# KiCad board panel.kicad_pcb (continued)
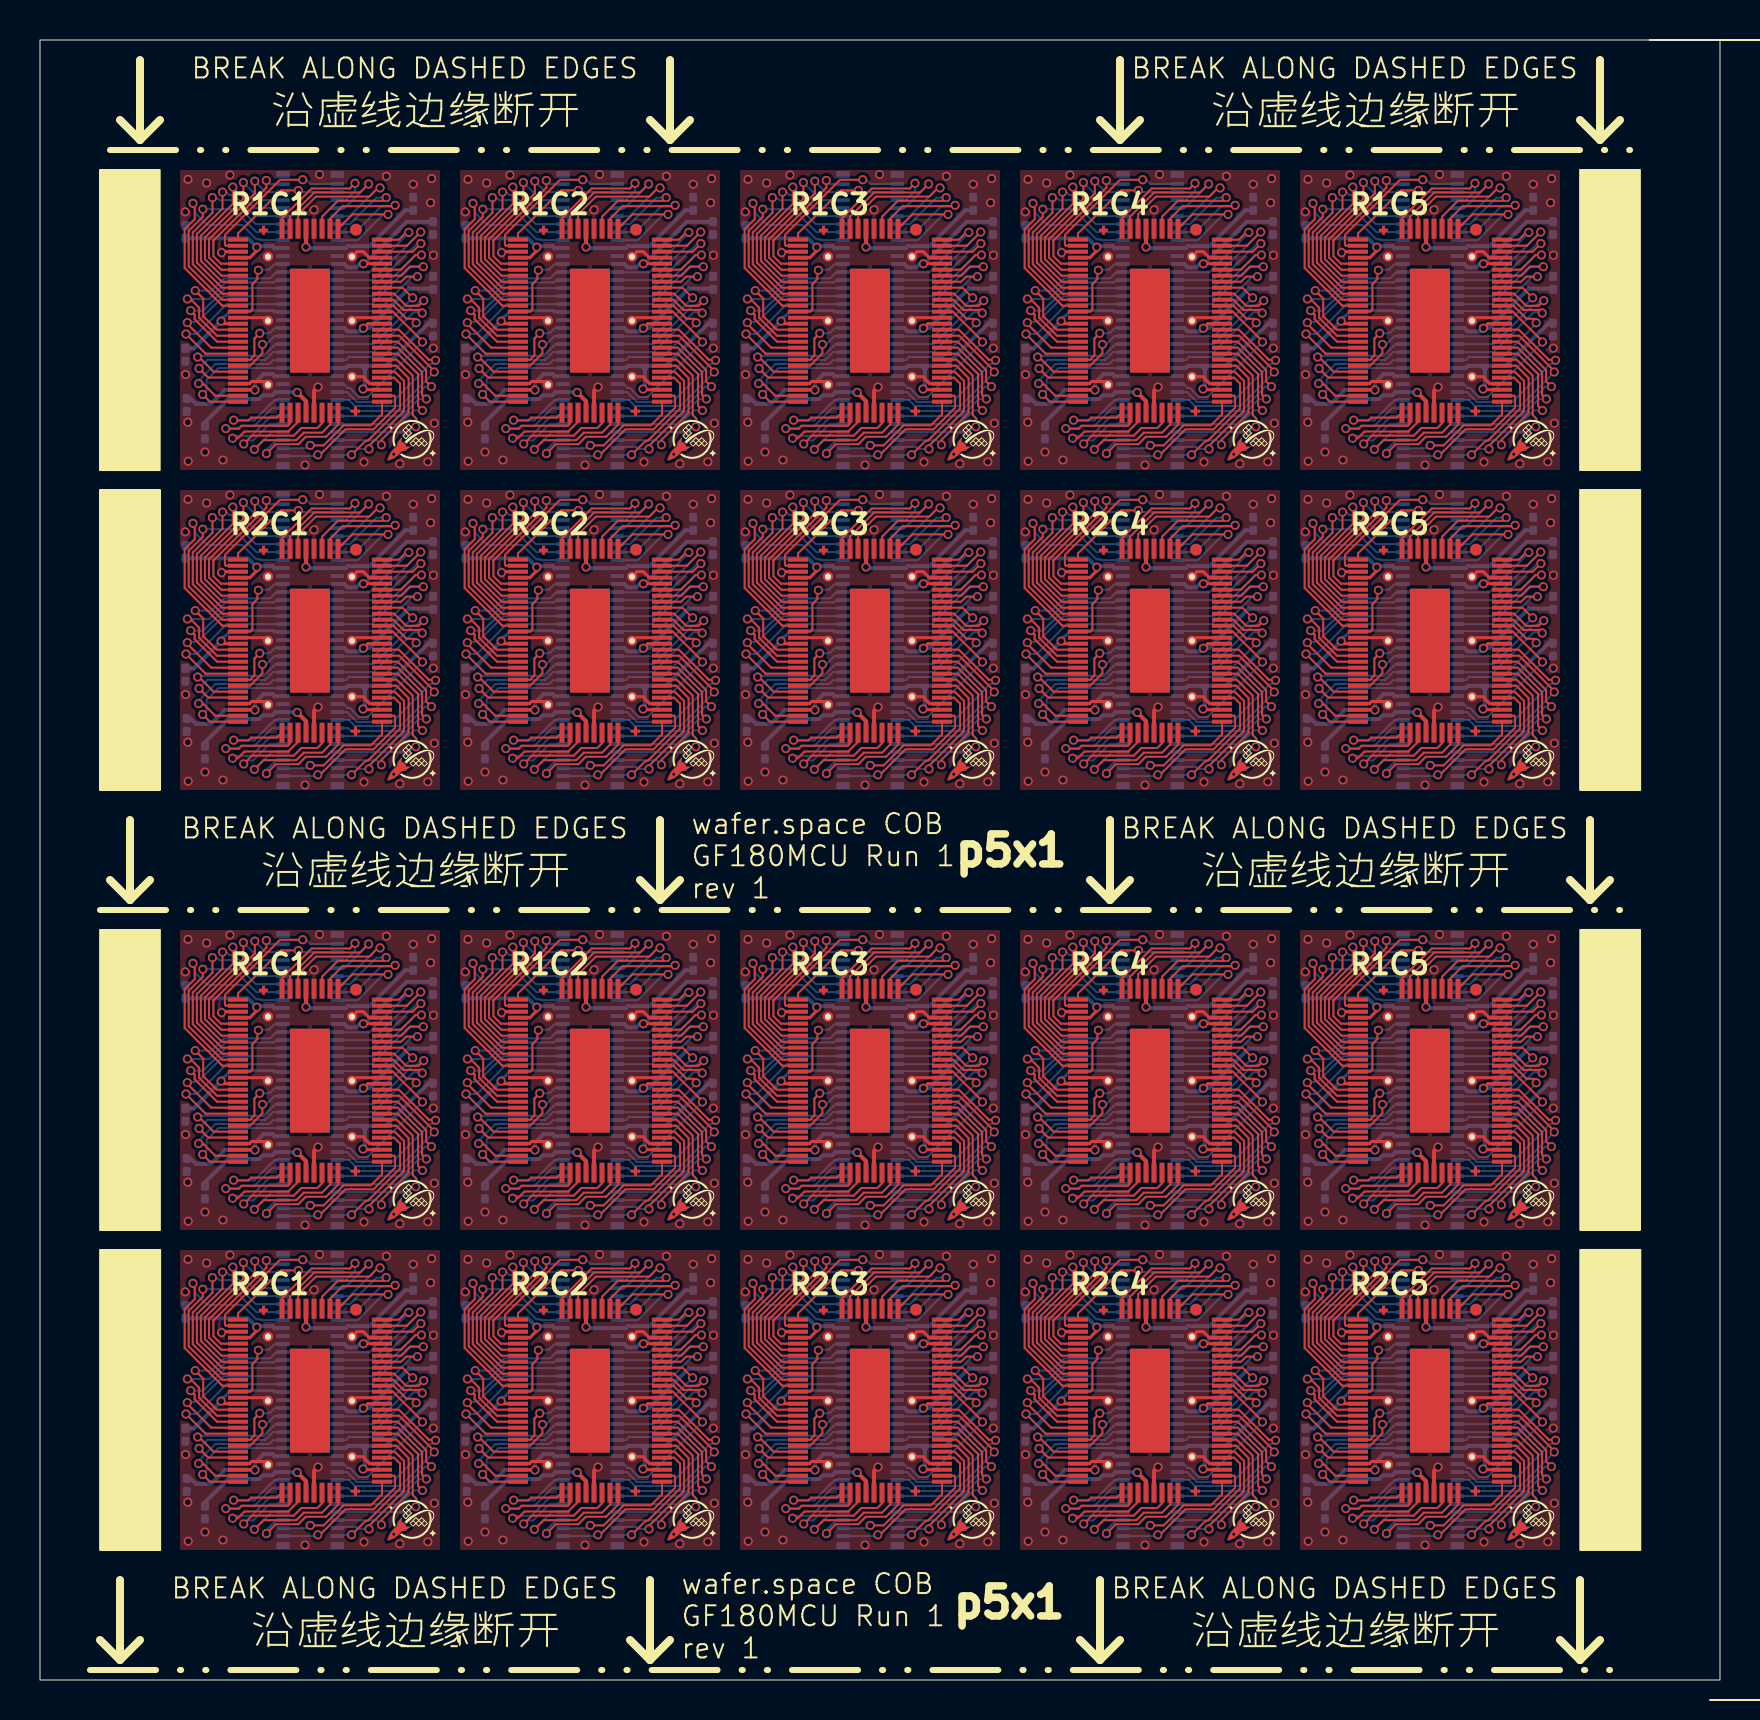
[diagram p0: board, top side]
## Nets (continued)
VDD_IO_2: C108.1 C108#2.1 C116.1 C116#2.1 C124.1 C124#2.1 C132.1 C132#2.1 C140.1 C140#2.1 C148.1 C148#2.1 C156.1 C156#2.1 C164.1 C164#2.1 C172.1 C172#2.1 C180.1 C180#2.1 U101.24 U101#2.24 U102.47 U102#2.47 U103.24 U103#2.24 U104.47 U104#2.47 U105.24 U105#2.24 U106.47 U106#2.47 U107.24 U107#2.24 U108.47 U108#2.47 U109.24 U109#2.24 U110.47 U110#2.47 U111.24 U111#2.24 U112.47 U112#2.47 U113.24 U113#2.24 U114.47 U114#2.47 U115.24 U115#2.24 U116.47 U116#2.47 U117.24 U117#2.24 U118.47 U118#2.47 U119.24 U119#2.24 U120.47 U120#2.47
VDD_IO_3: C102.1 C102#2.1 C110.1 C110#2.1 C118.1 C118#2.1 C126.1 C126#2.1 C134.1 C134#2.1 C142.1 C142#2.1 C150.1 C150#2.1 C158.1 C158#2.1 C166.1 C166#2.1 C174.1 C174#2.1 U101.9 U101#2.9 U102.5 U102#2.5 U103.9 U103#2.9 U104.5 U104#2.5 U105.9 U105#2.9 U106.5 U106#2.5 U107.9 U107#2.9 U108.5 U108#2.5 U109.9 U109#2.9 U110.5 U110#2.5 U111.9 U111#2.9 U112.5 U112#2.5 U113.9 U113#2.9 U114.5 U114#2.5 U115.9 U115#2.9 U116.5 U116#2.5 U117.9 U117#2.9 U118.5 U118#2.5 U119.9 U119#2.9 U120.5 U120#2.5
/an_0: U101.43 U101#2.43 U102.37 U102#2.37 U103.43 U103#2.43 U104.37 U104#2.37 U105.43 U105#2.43 U106.37 U106#2.37 U107.43 U107#2.43 U108.37 U108#2.37 U109.43 U109#2.43 U110.37 U110#2.37 U111.43 U111#2.43 U112.37 U112#2.37 U113.43 U113#2.43 U114.37 U114#2.37 U115.43 U115#2.43 U116.37 U116#2.37 U117.43 U117#2.43 U118.37 U118#2.37 U119.43 U119#2.43 U120.37 U120#2.37
/an_1: U101.42 U101#2.42 U102.38 U102#2.38 U103.42 U103#2.42 U104.38 U104#2.38 U105.42 U105#2.42 U106.38 U106#2.38 U107.42 U107#2.42 U108.38 U108#2.38 U109.42 U109#2.42 U110.38 U110#2.38 U111.42 U111#2.42 U112.38 U112#2.38 U113.42 U113#2.42 U114.38 U114#2.38 U115.42 U115#2.42 U116.38 U116#2.38 U117.42 U117#2.42 U118.38 U118#2.38 U119.42 U119#2.42 U120.38 U120#2.38
/an_2: U101.41 U101#2.41 U102.39 U102#2.39 U103.41 U103#2.41 U104.39 U104#2.39 U105.41 U105#2.41 U106.39 U106#2.39 U107.41 U107#2.41 U108.39 U108#2.39 U109.41 U109#2.41 U110.39 U110#2.39 U111.41 U111#2.41 U112.39 U112#2.39 U113.41 U113#2.41 U114.39 U114#2.39 U115.41 U115#2.41 U116.39 U116#2.39 U117.41 U117#2.41 U118.39 U118#2.39 U119.41 U119#2.41 U120.39 U120#2.39
/an_3: U101.40 U101#2.40 U102.42 U102#2.42 U103.40 U103#2.40 U104.42 U104#2.42 U105.40 U105#2.40 U106.42 U106#2.42 U107.40 U107#2.40 U108.42 U108#2.42 U109.40 U109#2.40 U110.42 U110#2.42 U111.40 U111#2.40 U112.42 U112#2.42 U113.40 U113#2.40 U114.42 U114#2.42 U115.40 U115#2.40 U116.42 U116#2.42 U117.40 U117#2.40 U118.42 U118#2.42 U119.40 U119#2.40 U120.42 U120#2.42
/an_4: U101.39 U101#2.39 U102.43 U102#2.43 U103.39 U103#2.39 U104.43 U104#2.43 U105.39 U105#2.39 U106.43 U106#2.43 U107.39 U107#2.39 U108.43 U108#2.43 U109.39 U109#2.39 U110.43 U110#2.43 U111.39 U111#2.39 U112.43 U112#2.43 U113.39 U113#2.39 U114.43 U114#2.43 U115.39 U115#2.39 U116.43 U116#2.43 U117.39 U117#2.39 U118.43 U118#2.43 U119.39 U119#2.39 U120.43 U120#2.43
/an_5: U101.38 U101#2.38 U102.44 U102#2.44 U103.38 U103#2.38 U104.44 U104#2.44 U105.38 U105#2.38 U106.44 U106#2.44 U107.38 U107#2.38 U108.44 U108#2.44 U109.38 U109#2.38 U110.44 U110#2.44 U111.38 U111#2.38 U112.44 U112#2.44 U113.38 U113#2.38 U114.44 U114#2.44 U115.38 U115#2.38 U116.44 U116#2.44 U117.38 U117#2.38 U118.44 U118#2.44 U119.38 U119#2.38 U120.44 U120#2.44
/bidir_0: U101.2 U101#2.2 U102.9 U102#2.9 U103.2 U103#2.2 U104.9 U104#2.9 U105.2 U105#2.2 U106.9 U106#2.9 U107.2 U107#2.2 U108.9 U108#2.9 U109.2 U109#2.2 U110.9 U110#2.9 U111.2 U111#2.2 U112.9 U112#2.9 U113.2 U113#2.2 U114.9 U114#2.9 U115.2 U115#2.2 U116.9 U116#2.9 U117.2 U117#2.2 U118.9 U118#2.9 U119.2 U119#2.2 U120.9 U120#2.9
/bidir_1: U101.1 U101#2.1 U102.10 U102#2.10 U103.1 U103#2.1 U104.10 U104#2.10 U105.1 U105#2.1 U106.10 U106#2.10 U107.1 U107#2.1 U108.10 U108#2.10 U109.1 U109#2.1 U110.10 U110#2.10 U111.1 U111#2.1 U112.10 U112#2.10 U113.1 U113#2.1 U114.10 U114#2.10 U115.1 U115#2.1 U116.10 U116#2.10 U117.1 U117#2.1 U118.10 U118#2.10 U119.1 U119#2.1 U120.10 U120#2.10
/bidir_2: U101.70 U101#2.70 U102.13 U102#2.13 U103.70 U103#2.70 U104.13 U104#2.13 U105.70 U105#2.70 U106.13 U106#2.13 U107.70 U107#2.70 U108.13 U108#2.13 U109.70 U109#2.70 U110.13 U110#2.13 U111.70 U111#2.70 U112.13 U112#2.13 U113.70 U113#2.70 U114.13 U114#2.13 U115.70 U115#2.70 U116.13 U116#2.13 U117.70 U117#2.70 U118.13 U118#2.13 U119.70 U119#2.70 U120.13 U120#2.13
/bidir_3: U101.69 U101#2.69 U102.14 U102#2.14 U103.69 U103#2.69 U104.14 U104#2.14 U105.69 U105#2.69 U106.14 U106#2.14 U107.69 U107#2.69 U108.14 U108#2.14 U109.69 U109#2.69 U110.14 U110#2.14 U111.69 U111#2.69 U112.14 U112#2.14 U113.69 U113#2.69 U114.14 U114#2.14 U115.69 U115#2.69 U116.14 U116#2.14 U117.69 U117#2.69 U118.14 U118#2.14 U119.69 U119#2.69 U120.14 U120#2.14
/bidir_4: U101.68 U101#2.68 U102.15 U102#2.15 U103.68 U103#2.68 U104.15 U104#2.15 U105.68 U105#2.68 U106.15 U106#2.15 U107.68 U107#2.68 U108.15 U108#2.15 U109.68 U109#2.68 U110.15 U110#2.15 U111.68 U111#2.68 U112.15 U112#2.15 U113.68 U113#2.68 U114.15 U114#2.15 U115.68 U115#2.68 U116.15 U116#2.15 U117.68 U117#2.68 U118.15 U118#2.15 U119.68 U119#2.68 U120.15 U120#2.15
/bidir_5: U101.67 U101#2.67 U102.16 U102#2.16 U103.67 U103#2.67 U104.16 U104#2.16 U105.67 U105#2.67 U106.16 U106#2.16 U107.67 U107#2.67 U108.16 U108#2.16 U109.67 U109#2.67 U110.16 U110#2.16 U111.67 U111#2.67 U112.16 U112#2.16 U113.67 U113#2.67 U114.16 U114#2.16 U115.67 U115#2.67 U116.16 U116#2.16 U117.67 U117#2.67 U118.16 U118#2.16 U119.67 U119#2.67 U120.16 U120#2.16
/bidir_6: U101.66 U101#2.66 U102.17 U102#2.17 U103.66 U103#2.66 U104.17 U104#2.17 U105.66 U105#2.66 U106.17 U106#2.17 U107.66 U107#2.66 U108.17 U108#2.17 U109.66 U109#2.66 U110.17 U110#2.17 U111.66 U111#2.66 U112.17 U112#2.17 U113.66 U113#2.66 U114.17 U114#2.17 U115.66 U115#2.66 U116.17 U116#2.17 U117.66 U117#2.66 U118.17 U118#2.17 U119.66 U119#2.66 U120.17 U120#2.17
/bidir_7: U101.65 U101#2.65 U102.18 U102#2.18 U103.65 U103#2.65 U104.18 U104#2.18 U105.65 U105#2.65 U106.18 U106#2.18 U107.65 U107#2.65 U108.18 U108#2.18 U109.65 U109#2.65 U110.18 U110#2.18 U111.65 U111#2.65 U112.18 U112#2.18 U113.65 U113#2.65 U114.18 U114#2.18 U115.65 U115#2.65 U116.18 U116#2.18 U117.65 U117#2.65 U118.18 U118#2.18 U119.65 U119#2.65 U120.18 U120#2.18
/bidir_8: U101.64 U101#2.64 U102.19 U102#2.19 U103.64 U103#2.64 U104.19 U104#2.19 U105.64 U105#2.64 U106.19 U106#2.19 U107.64 U107#2.64 U108.19 U108#2.19 U109.64 U109#2.64 U110.19 U110#2.19 U111.64 U111#2.64 U112.19 U112#2.19 U113.64 U113#2.64 U114.19 U114#2.19 U115.64 U115#2.64 U116.19 U116#2.19 U117.64 U117#2.64 U118.19 U118#2.19 U119.64 U119#2.64 U120.19 U120#2.19
/bidir_9: U101.63 U101#2.63 U102.20 U102#2.20 U103.63 U103#2.63 U104.20 U104#2.20 U105.63 U105#2.63 U106.20 U106#2.20 U107.63 U107#2.63 U108.20 U108#2.20 U109.63 U109#2.63 U110.20 U110#2.20 U111.63 U111#2.63 U112.20 U112#2.20 U113.63 U113#2.63 U114.20 U114#2.20 U115.63 U115#2.63 U116.20 U116#2.20 U117.63 U117#2.63 U118.20 U118#2.20 U119.63 U119#2.63 U120.20 U120#2.20
/bidir_10: U101.60 U101#2.60 U102.21 U102#2.21 U103.60 U103#2.60 U104.21 U104#2.21 U105.60 U105#2.60 U106.21 U106#2.21 U107.60 U107#2.60 U108.21 U108#2.21 U109.60 U109#2.60 U110.21 U110#2.21 U111.60 U111#2.60 U112.21 U112#2.21 U113.60 U113#2.60 U114.21 U114#2.21 U115.60 U115#2.60 U116.21 U116#2.21 U117.60 U117#2.60 U118.21 U118#2.21 U119.60 U119#2.60 U120.21 U120#2.21
/bidir_11: U101.59 U101#2.59 U102.24 U102#2.24 U103.59 U103#2.59 U104.24 U104#2.24 U105.59 U105#2.59 U106.24 U106#2.24 U107.59 U107#2.59 U108.24 U108#2.24 U109.59 U109#2.59 U110.24 U110#2.24 U111.59 U111#2.59 U112.24 U112#2.24 U113.59 U113#2.59 U114.24 U114#2.24 U115.59 U115#2.59 U116.24 U116#2.24 U117.59 U117#2.59 U118.24 U118#2.24 U119.59 U119#2.59 U120.24 U120#2.24
/bidir_12: U101.58 U101#2.58 U102.25 U102#2.25 U103.58 U103#2.58 U104.25 U104#2.25 U105.58 U105#2.58 U106.25 U106#2.25 U107.58 U107#2.58 U108.25 U108#2.25 U109.58 U109#2.58 U110.25 U110#2.25 U111.58 U111#2.58 U112.25 U112#2.25 U113.58 U113#2.58 U114.25 U114#2.25 U115.58 U115#2.58 U116.25 U116#2.25 U117.58 U117#2.58 U118.25 U118#2.25 U119.58 U119#2.58 U120.25 U120#2.25
/bidir_13: U101.57 U101#2.57 U102.26 U102#2.26 U103.57 U103#2.57 U104.26 U104#2.26 U105.57 U105#2.57 U106.26 U106#2.26 U107.57 U107#2.57 U108.26 U108#2.26 U109.57 U109#2.57 U110.26 U110#2.26 U111.57 U111#2.57 U112.26 U112#2.26 U113.57 U113#2.57 U114.26 U114#2.26 U115.57 U115#2.57 U116.26 U116#2.26 U117.57 U117#2.57 U118.26 U118#2.26 U119.57 U119#2.57 U120.26 U120#2.26
/bidir_14: U101.56 U101#2.56 U102.27 U102#2.27 U103.56 U103#2.56 U104.27 U104#2.27 U105.56 U105#2.56 U106.27 U106#2.27 U107.56 U107#2.56 U108.27 U108#2.27 U109.56 U109#2.56 U110.27 U110#2.27 U111.56 U111#2.56 U112.27 U112#2.27 U113.56 U113#2.56 U114.27 U114#2.27 U115.56 U115#2.56 U116.27 U116#2.27 U117.56 U117#2.56 U118.27 U118#2.27 U119.56 U119#2.56 U120.27 U120#2.27
/bidir_15: U101.55 U101#2.55 U102.28 U102#2.28 U103.55 U103#2.55 U104.28 U104#2.28 U105.55 U105#2.55 U106.28 U106#2.28 U107.55 U107#2.55 U108.28 U108#2.28 U109.55 U109#2.55 U110.28 U110#2.28 U111.55 U111#2.55 U112.28 U112#2.28 U113.55 U113#2.55 U114.28 U114#2.28 U115.55 U115#2.55 U116.28 U116#2.28 U117.55 U117#2.55 U118.28 U118#2.28 U119.55 U119#2.55 U120.28 U120#2.28
/bidir_16: U101.52 U101#2.52 U102.29 U102#2.29 U103.52 U103#2.52 U104.29 U104#2.29 U105.52 U105#2.52 U106.29 U106#2.29 U107.52 U107#2.52 U108.29 U108#2.29 U109.52 U109#2.52 U110.29 U110#2.29 U111.52 U111#2.52 U112.29 U112#2.29 U113.52 U113#2.52 U114.29 U114#2.29 U115.52 U115#2.52 U116.29 U116#2.29 U117.52 U117#2.52 U118.29 U118#2.29 U119.52 U119#2.52 U120.29 U120#2.29
/bidir_17: U101.51 U101#2.51 U102.30 U102#2.30 U103.51 U103#2.51 U104.30 U104#2.30 U105.51 U105#2.51 U106.30 U106#2.30 U107.51 U107#2.51 U108.30 U108#2.30 U109.51 U109#2.51 U110.30 U110#2.30 U111.51 U111#2.51 U112.30 U112#2.30 U113.51 U113#2.51 U114.30 U114#2.30 U115.51 U115#2.51 U116.30 U116#2.30 U117.51 U117#2.51 U118.30 U118#2.30 U119.51 U119#2.51 U120.30 U120#2.30
/bidir_18: U101.50 U101#2.50 U102.31 U102#2.31 U103.50 U103#2.50 U104.31 U104#2.31 U105.50 U105#2.50 U106.31 U106#2.31 U107.50 U107#2.50 U108.31 U108#2.31 U109.50 U109#2.50 U110.31 U110#2.31 U111.50 U111#2.50 U112.31 U112#2.31 U113.50 U113#2.50 U114.31 U114#2.31 U115.50 U115#2.50 U116.31 U116#2.31 U117.50 U117#2.50 U118.31 U118#2.31 U119.50 U119#2.50 U120.31 U120#2.31
/bidir_19: U101.49 U101#2.49 U102.32 U102#2.32 U103.49 U103#2.49 U104.32 U104#2.32 U105.49 U105#2.49 U106.32 U106#2.32 U107.49 U107#2.49 U108.32 U108#2.32 U109.49 U109#2.49 U110.32 U110#2.32 U111.49 U111#2.49 U112.32 U112#2.32 U113.49 U113#2.49 U114.32 U114#2.32 U115.49 U115#2.49 U116.32 U116#2.32 U117.49 U117#2.49 U118.32 U118#2.32 U119.49 U119#2.49 U120.32 U120#2.32
/bidir_20: U101.48 U101#2.48 U102.35 U102#2.35 U103.48 U103#2.48 U104.35 U104#2.35 U105.48 U105#2.48 U106.35 U106#2.35 U107.48 U107#2.48 U108.35 U108#2.35 U109.48 U109#2.48 U110.35 U110#2.35 U111.48 U111#2.48 U112.35 U112#2.35 U113.48 U113#2.48 U114.35 U114#2.35 U115.48 U115#2.48 U116.35 U116#2.35 U117.48 U117#2.48 U118.35 U118#2.35 U119.48 U119#2.48 U120.35 U120#2.35
/bidir_21: U101.47 U101#2.47 U102.36 U102#2.36 U103.47 U103#2.47 U104.36 U104#2.36 U105.47 U105#2.47 U106.36 U106#2.36 U107.47 U107#2.47 U108.36 U108#2.36 U109.47 U109#2.47 U110.36 U110#2.36 U111.47 U111#2.47 U112.36 U112#2.36 U113.47 U113#2.47 U114.36 U114#2.36 U115.47 U115#2.47 U116.36 U116#2.36 U117.47 U117#2.47 U118.36 U118#2.36 U119.47 U119#2.47 U120.36 U120#2.36
/bidir_22: U101.37 U101#2.37 U102.45 U102#2.45 U103.37 U103#2.37 U104.45 U104#2.45 U105.37 U105#2.37 U106.45 U106#2.45 U107.37 U107#2.37 U108.45 U108#2.45 U109.37 U109#2.37 U110.45 U110#2.45 U111.37 U111#2.37 U112.45 U112#2.45 U113.37 U113#2.37 U114.45 U114#2.45 U115.37 U115#2.37 U116.45 U116#2.45 U117.37 U117#2.37 U118.45 U118#2.45 U119.37 U119#2.37 U120.45 U120#2.45
/bidir_23: U101.36 U101#2.36 U102.46 U102#2.46 U103.36 U103#2.36 U104.46 U104#2.46 U105.36 U105#2.36 U106.46 U106#2.46 U107.36 U107#2.36 U108.46 U108#2.46 U109.36 U109#2.36 U110.46 U110#2.46 U111.36 U111#2.36 U112.46 U112#2.46 U113.36 U113#2.36 U114.46 U114#2.46 U115.36 U115#2.36 U116.46 U116#2.46 U117.36 U117#2.36 U118.46 U118#2.46 U119.36 U119#2.36 U120.46 U120#2.46
/bidir_24: U101.35 U101#2.35 U102.49 U102#2.49 U103.35 U103#2.35 U104.49 U104#2.49 U105.35 U105#2.35 U106.49 U106#2.49 U107.35 U107#2.35 U108.49 U108#2.49 U109.35 U109#2.35 U110.49 U110#2.49 U111.35 U111#2.35 U112.49 U112#2.49 U113.35 U113#2.35 U114.49 U114#2.49 U115.35 U115#2.35 U116.49 U116#2.49 U117.35 U117#2.35 U118.49 U118#2.49 U119.35 U119#2.35 U120.49 U120#2.49
/bidir_25: U101.34 U101#2.34 U102.50 U102#2.50 U103.34 U103#2.34 U104.50 U104#2.50 U105.34 U105#2.34 U106.50 U106#2.50 U107.34 U107#2.34 U108.50 U108#2.50 U109.34 U109#2.34 U110.50 U110#2.50 U111.34 U111#2.34 U112.50 U112#2.50 U113.34 U113#2.34 U114.50 U114#2.50 U115.34 U115#2.34 U116.50 U116#2.50 U117.34 U117#2.34 U118.50 U118#2.50 U119.34 U119#2.34 U120.50 U120#2.50
/bidir_26: U101.33 U101#2.33 U102.51 U102#2.51 U103.33 U103#2.33 U104.51 U104#2.51 U105.33 U105#2.33 U106.51 U106#2.51 U107.33 U107#2.33 U108.51 U108#2.51 U109.33 U109#2.33 U110.51 U110#2.51 U111.33 U111#2.33 U112.51 U112#2.51 U113.33 U113#2.33 U114.51 U114#2.51 U115.33 U115#2.33 U116.51 U116#2.51 U117.33 U117#2.33 U118.51 U118#2.51 U119.33 U119#2.33 U120.51 U120#2.51
/bidir_27: U101.32 U101#2.32 U102.52 U102#2.52 U103.32 U103#2.32 U104.52 U104#2.52 U105.32 U105#2.32 U106.52 U106#2.52 U107.32 U107#2.32 U108.52 U108#2.52 U109.32 U109#2.32 U110.52 U110#2.52 U111.32 U111#2.32 U112.52 U112#2.52 U113.32 U113#2.32 U114.52 U114#2.52 U115.32 U115#2.32 U116.52 U116#2.52 U117.32 U117#2.32 U118.52 U118#2.52 U119.32 U119#2.32 U120.52 U120#2.52
/bidir_28: U101.31 U101#2.31 U102.53 U102#2.53 U103.31 U103#2.31 U104.53 U104#2.53 U105.31 U105#2.31 U106.53 U106#2.53 U107.31 U107#2.31 U108.53 U108#2.53 U109.31 U109#2.31 U110.53 U110#2.53 U111.31 U111#2.31 U112.53 U112#2.53 U113.31 U113#2.31 U114.53 U114#2.53 U115.31 U115#2.31 U116.53 U116#2.53 U117.31 U117#2.31 U118.53 U118#2.53 U119.31 U119#2.31 U120.53 U120#2.53
/bidir_29: U101.30 U101#2.30 U102.54 U102#2.54 U103.30 U103#2.30 U104.54 U104#2.54 U105.30 U105#2.30 U106.54 U106#2.54 U107.30 U107#2.30 U108.54 U108#2.54 U109.30 U109#2.30 U110.54 U110#2.54 U111.30 U111#2.30 U112.54 U112#2.54 U113.30 U113#2.30 U114.54 U114#2.54 U115.30 U115#2.30 U116.54 U116#2.54 U117.30 U117#2.30 U118.54 U118#2.54 U119.30 U119#2.30 U120.54 U120#2.54
/bidir_30: U101.29 U101#2.29 U102.55 U102#2.55 U103.29 U103#2.29 U104.55 U104#2.55 U105.29 U105#2.29 U106.55 U106#2.55 U107.29 U107#2.29 U108.55 U108#2.55 U109.29 U109#2.29 U110.55 U110#2.55 U111.29 U111#2.29 U112.55 U112#2.55 U113.29 U113#2.29 U114.55 U114#2.55 U115.29 U115#2.29 U116.55 U116#2.55 U117.29 U117#2.29 U118.55 U118#2.55 U119.29 U119#2.29 U120.55 U120#2.55
/bidir_31: U101.28 U101#2.28 U102.56 U102#2.56 U103.28 U103#2.28 U104.56 U104#2.56 U105.28 U105#2.28 U106.56 U106#2.56 U107.28 U107#2.28 U108.56 U108#2.56 U109.28 U109#2.28 U110.56 U110#2.56 U111.28 U111#2.28 U112.56 U112#2.56 U113.28 U113#2.28 U114.56 U114#2.56 U115.28 U115#2.28 U116.56 U116#2.56 U117.28 U117#2.28 U118.56 U118#2.56 U119.28 U119#2.28 U120.56 U120#2.56
/bidir_32: U101.27 U101#2.27 U102.57 U102#2.57 U103.27 U103#2.27 U104.57 U104#2.57 U105.27 U105#2.27 U106.57 U106#2.57 U107.27 U107#2.27 U108.57 U108#2.57 U109.27 U109#2.27 U110.57 U110#2.57 U111.27 U111#2.27 U112.57 U112#2.57 U113.27 U113#2.27 U114.57 U114#2.57 U115.27 U115#2.27 U116.57 U116#2.57 U117.27 U117#2.27 U118.57 U118#2.57 U119.27 U119#2.27 U120.57 U120#2.57
/bidir_33: U101.26 U101#2.26 U102.60 U102#2.60 U103.26 U103#2.26 U104.60 U104#2.60 U105.26 U105#2.26 U106.60 U106#2.60 U107.26 U107#2.26 U108.60 U108#2.60 U109.26 U109#2.26 U110.60 U110#2.60 U111.26 U111#2.26 U112.60 U112#2.60 U113.26 U113#2.26 U114.60 U114#2.60 U115.26 U115#2.26 U116.60 U116#2.60 U117.26 U117#2.26 U118.60 U118#2.60 U119.26 U119#2.26 U120.60 U120#2.60
/bidir_34: U101.23 U101#2.23 U102.61 U102#2.61 U103.23 U103#2.23 U104.61 U104#2.61 U105.23 U105#2.23 U106.61 U106#2.61 U107.23 U107#2.23 U108.61 U108#2.61 U109.23 U109#2.23 U110.61 U110#2.61 U111.23 U111#2.23 U112.61 U112#2.61 U113.23 U113#2.23 U114.61 U114#2.61 U115.23 U115#2.23 U116.61 U116#2.61 U117.23 U117#2.23 U118.61 U118#2.61 U119.23 U119#2.23 U120.61 U120#2.61
/bidir_35: U101.22 U101#2.22 U102.62 U102#2.62 U103.22 U103#2.22 U104.62 U104#2.62 U105.22 U105#2.22 U106.62 U106#2.62 U107.22 U107#2.22 U108.62 U108#2.62 U109.22 U109#2.22 U110.62 U110#2.62 U111.22 U111#2.22 U112.62 U112#2.62 U113.22 U113#2.22 U114.62 U114#2.62 U115.22 U115#2.22 U116.62 U116#2.62 U117.22 U117#2.22 U118.62 U118#2.62 U119.22 U119#2.22 U120.62 U120#2.62
/bidir_36: U101.21 U101#2.21 U102.63 U102#2.63 U103.21 U103#2.21 U104.63 U104#2.63 U105.21 U105#2.21 U106.63 U106#2.63 U107.21 U107#2.21 U108.63 U108#2.63 U109.21 U109#2.21 U110.63 U110#2.63 U111.21 U111#2.21 U112.63 U112#2.63 U113.21 U113#2.21 U114.63 U114#2.63 U115.21 U115#2.21 U116.63 U116#2.63 U117.21 U117#2.21 U118.63 U118#2.63 U119.21 U119#2.21 U120.63 U120#2.63
/bidir_37: U101.20 U101#2.20 U102.64 U102#2.64 U103.20 U103#2.20 U104.64 U104#2.64 U105.20 U105#2.20 U106.64 U106#2.64 U107.20 U107#2.20 U108.64 U108#2.64 U109.20 U109#2.20 U110.64 U110#2.64 U111.20 U111#2.20 U112.64 U112#2.64 U113.20 U113#2.20 U114.64 U114#2.64 U115.20 U115#2.20 U116.64 U116#2.64 U117.20 U117#2.20 U118.64 U118#2.64 U119.20 U119#2.20 U120.64 U120#2.64
/bidir_38: U101.17 U101#2.17 U102.65 U102#2.65 U103.17 U103#2.17 U104.65 U104#2.65 U105.17 U105#2.17 U106.65 U106#2.65 U107.17 U107#2.17 U108.65 U108#2.65 U109.17 U109#2.17 U110.65 U110#2.65 U111.17 U111#2.17 U112.65 U112#2.65 U113.17 U113#2.17 U114.65 U114#2.65 U115.17 U115#2.17 U116.65 U116#2.65 U117.17 U117#2.17 U118.65 U118#2.65 U119.17 U119#2.17 U120.65 U120#2.65
/bidir_39: U101.16 U101#2.16 U102.66 U102#2.66 U103.16 U103#2.16 U104.66 U104#2.66 U105.16 U105#2.16 U106.66 U106#2.66 U107.16 U107#2.16 U108.66 U108#2.66 U109.16 U109#2.16 U110.66 U110#2.66 U111.16 U111#2.16 U112.66 U112#2.66 U113.16 U113#2.16 U114.66 U114#2.66 U115.16 U115#2.16 U116.66 U116#2.66 U117.16 U117#2.16 U118.66 U118#2.66 U119.16 U119#2.16 U120.66 U120#2.66
/bidir_40: U101.15 U101#2.15 U102.67 U102#2.67 U103.15 U103#2.15 U104.67 U104#2.67 U105.15 U105#2.15 U106.67 U106#2.67 U107.15 U107#2.15 U108.67 U108#2.67 U109.15 U109#2.15 U110.67 U110#2.67 U111.15 U111#2.15 U112.67 U112#2.67 U113.15 U113#2.15 U114.67 U114#2.67 U115.15 U115#2.15 U116.67 U116#2.67 U117.15 U117#2.15 U118.67 U118#2.67 U119.15 U119#2.15 U120.67 U120#2.67
/bidir_41: U101.14 U101#2.14 U102.70 U102#2.70 U103.14 U103#2.14 U104.70 U104#2.70 U105.14 U105#2.14 U106.70 U106#2.70 U107.14 U107#2.14 U108.70 U108#2.70 U109.14 U109#2.14 U110.70 U110#2.70 U111.14 U111#2.14 U112.70 U112#2.70 U113.14 U113#2.14 U114.70 U114#2.70 U115.14 U115#2.14 U116.70 U116#2.70 U117.14 U117#2.14 U118.70 U118#2.70 U119.14 U119#2.14 U120.70 U120#2.70
/bidir_42: U101.13 U101#2.13 U102.71 U102#2.71 U103.13 U103#2.13 U104.71 U104#2.71 U105.13 U105#2.13 U106.71 U106#2.71 U107.13 U107#2.13 U108.71 U108#2.71 U109.13 U109#2.13 U110.71 U110#2.71 U111.13 U111#2.13 U112.71 U112#2.71 U113.13 U113#2.13 U114.71 U114#2.71 U115.13 U115#2.13 U116.71 U116#2.71 U117.13 U117#2.13 U118.71 U118#2.71 U119.13 U119#2.13 U120.71 U120#2.71
/bidir_43: U101.12 U101#2.12 U102.72 U102#2.72 U103.12 U103#2.12 U104.72 U104#2.72 U105.12 U105#2.12 U106.72 U106#2.72 U107.12 U107#2.12 U108.72 U108#2.72 U109.12 U109#2.12 U110.72 U110#2.72 U111.12 U111#2.12 U112.72 U112#2.72 U113.12 U113#2.12 U114.72 U114#2.72 U115.12 U115#2.12 U116.72 U116#2.72 U117.12 U117#2.12 U118.72 U118#2.72 U119.12 U119#2.12 U120.72 U120#2.72
/clk: U101.8 U101#2.8 U102.1 U102#2.1 U103.8 U103#2.8 U104.1 U104#2.1 U105.8 U105#2.8 U106.1 U106#2.1 U107.8 U107#2.8 U108.1 U108#2.1 U109.8 U109#2.8 U110.1 U110#2.1 U111.8 U111#2.8 U112.1 U112#2.1 U113.8 U113#2.8 U114.1 U114#2.1 U115.8 U115#2.8 U116.1 U116#2.1 U117.8 U117#2.8 U118.1 U118#2.1 U119.8 U119#2.8 U120.1 U120#2.1
/in_0: U101.6 U101#2.6 U102.3 U102#2.3 U103.6 U103#2.6 U104.3 U104#2.3 U105.6 U105#2.6 U106.3 U106#2.3 U107.6 U107#2.6 U108.3 U108#2.3 U109.6 U109#2.6 U110.3 U110#2.3 U111.6 U111#2.6 U112.3 U112#2.3 U113.6 U113#2.6 U114.3 U114#2.3 U115.6 U115#2.6 U116.3 U116#2.3 U117.6 U117#2.6 U118.3 U118#2.3 U119.6 U119#2.6 U120.3 U120#2.3
/in_1: U101.5 U101#2.5 U102.6 U102#2.6 U103.5 U103#2.5 U104.6 U104#2.6 U105.5 U105#2.5 U106.6 U106#2.6 U107.5 U107#2.5 U108.6 U108#2.6 U109.5 U109#2.5 U110.6 U110#2.6 U111.5 U111#2.5 U112.6 U112#2.6 U113.5 U113#2.5 U114.6 U114#2.6 U115.5 U115#2.5 U116.6 U116#2.6 U117.5 U117#2.5 U118.6 U118#2.6 U119.5 U119#2.5 U120.6 U120#2.6
/in_2: U101.4 U101#2.4 U102.7 U102#2.7 U103.4 U103#2.4 U104.7 U104#2.7 U105.4 U105#2.4 U106.7 U106#2.7 U107.4 U107#2.4 U108.7 U108#2.7 U109.4 U109#2.4 U110.7 U110#2.7 U111.4 U111#2.4 U112.7 U112#2.7 U113.4 U113#2.4 U114.7 U114#2.7 U115.4 U115#2.4 U116.7 U116#2.7 U117.4 U117#2.4 U118.7 U118#2.7 U119.4 U119#2.4 U120.7 U120#2.7
/in_3: U101.3 U101#2.3 U102.8 U102#2.8 U103.3 U103#2.3 U104.8 U104#2.8 U105.3 U105#2.3 U106.8 U106#2.8 U107.3 U107#2.3 U108.8 U108#2.8 U109.3 U109#2.3 U110.8 U110#2.8 U111.3 U111#2.3 U112.8 U112#2.8 U113.3 U113#2.3 U114.8 U114#2.8 U115.3 U115#2.3 U116.8 U116#2.8 U117.3 U117#2.3 U118.8 U118#2.8 U119.3 U119#2.3 U120.8 U120#2.8
/rst_n: U101.7 U101#2.7 U102.2 U102#2.2 U103.7 U103#2.7 U104.2 U104#2.2 U105.7 U105#2.7 U106.2 U106#2.2 U107.7 U107#2.7 U108.2 U108#2.2 U109.7 U109#2.7 U110.2 U110#2.2 U111.7 U111#2.7 U112.2 U112#2.2 U113.7 U113#2.7 U114.2 U114#2.2 U115.7 U115#2.7 U116.2 U116#2.2 U117.7 U117#2.7 U118.2 U118#2.2 U119.7 U119#2.7 U120.2 U120#2.2
PWR_AUX_0: C105.1 C105#2.1 C113.1 C113#2.1 C121.1 C121#2.1 C129.1 C129#2.1 C137.1 C137#2.1 C145.1 C145#2.1 C153.1 C153#2.1 C161.1 C161#2.1 C169.1 C169#2.1 C177.1 C177#2.1 U101.54 U101#2.54 U102.23 U102#2.23 U103.54 U103#2.54 U104.23 U104#2.23 U105.54 U105#2.54 U106.23 U106#2.23 U107.54 U107#2.54 U108.23 U108#2.23 U109.54 U109#2.54 U110.23 U110#2.23 U111.54 U111#2.54 U112.23 U112#2.23 U113.54 U113#2.54 U114.23 U114#2.23 U115.54 U115#2.54 U116.23 U116#2.23 U117.54 U117#2.54 U118.23 U118#2.23 U119.54 U119#2.54 U120.23 U120#2.23
PWR_AUX_1: C106.1 C106#2.1 C114.1 C114#2.1 C122.1 C122#2.1 C130.1 C130#2.1 C138.1 C138#2.1 C146.1 C146#2.1 C154.1 C154#2.1 C162.1 C162#2.1 C170.1 C170#2.1 C178.1 C178#2.1 U101.19 U101#2.19 U102.58 U102#2.58 U103.19 U103#2.19 U104.58 U104#2.58 U105.19 U105#2.19 U106.58 U106#2.58 U107.19 U107#2.19 U108.58 U108#2.58 U109.19 U109#2.19 U110.58 U110#2.58 U111.19 U111#2.19 U112.58 U112#2.58 U113.19 U113#2.19 U114.58 U114#2.58 U115.19 U115#2.19 U116.58 U116#2.58 U117.19 U117#2.19 U118.58 U118#2.58 U119.19 U119#2.19 U120.58 U120#2.58

## Via types
v1: diameter 0.45, hole 0.3, Top to Bottom, 1760 vias

## Routing (per net, layer and track width the routed paths; a pad name or vN(x,y) marks a point on that pad's centre or on a via; arc(x,y) is an arc through that point)
GND: length 206.3
  Top w0.15: U106#2.78 43.85,71.41 44.17,71.41 44.47,71.12 U106#2.69 ; 23.9,64.81 24.46,64.81 24.57,64.92 25.24,64.92 U104#2.81 ; U114.48 30.49,48.81 30.14,49.17 U114.76 ; U108#2.77 57.75,68.12 U108#2.59 ; U116.76 44.14,49.17 44.49,48.81 U116.48 ; U108.48 58.49,26.81 58.14,27.17 U108.76 ; U116#2.81 39.24,10.92 38.57,10.92 38.46,10.81 U116#2.33 ; v1(51.08,33.37) 51.12,33.42 U108.11 ; 45.1,14.11 43.75,14.11 U116#2.77 ; U110.80 67.25,30.11 65.9,30.11 ; U106#2.76 44.14,65.16 44.49,64.81 45.1,64.81 ; U120.78 71.85,17.42 72.17,17.42 72.47,17.11 73.1,17.11 ; U112.80 11.25,52.11 9.9,52.11 ; U116.33 38.46,48.81 38.57,48.92 39.24,48.92 U116.81 ; U120.80 67.25,14.11 65.9,14.11 ; U108#2.76 58.14,65.16 58.49,64.81 59.1,64.81 ; U116#2.11 37.12,17.42 v1(37.08,17.37) ; U104.48 30.49,26.81 30.14,27.17 U104.76 ; U102#2.76 16.14,65.16 16.49,64.81 17.1,64.81 ; U112#2.76 16.14,11.17 16.49,10.81 U112#2.48 ; U102.33 10.46,26.81 10.57,26.92 11.24,26.92 U102.81 ; v1(51.08,55.37) 51.12,55.42 U118.11 ; 51.9,64.81 52.46,64.81 52.57,64.92 53.24,64.92 U108#2.81 ; 9.9,30.11 11.25,30.11 U102.80 ; U106#2.22 39.25,68.12 U106#2.80 ; 17.1,55.11 16.47,55.11 16.17,55.42 15.85,55.42 U112.78 ; 37.9,64.81 38.46,64.81 38.57,64.92 39.24,64.92 U106#2.81 ; U110#2.59 71.75,68.12 U110#2.77 ; U114.80 25.25,52.11 23.9,52.11 ; U114.33 24.46,48.81 24.57,48.92 25.24,48.92 U114.81 ; U108#2.69 58.47,71.12 58.17,71.41 57.85,71.41 U108#2.78 ; 17.1,30.11 15.75,30.11 U102.77 ; U108.78 57.85,33.42 58.17,33.42 58.47,33.11 59.1,33.11 ; U120#2.80 67.25,52.11 65.9,52.11 ; 45.1,17.11 44.47,17.11 44.17,17.42 43.85,17.42 U116#2.78 ; 45.1,30.11 43.75,30.11 U106.77 ; U108.77 57.75,30.11 59.1,30.11 ; U114#2.76 30.14,11.17 30.49,10.81 U114#2.48 ; 9.9,71.41 9.12,71.41 v1(9.08,71.37) ; U106.80 39.25,30.11 37.9,30.11 ; 31.1,14.11 29.75,14.11 U114#2.77 ; v1(37.08,71.37) 37.12,71.41 37.9,71.41 ; U104#2.77 29.75,68.12 U104#2.59 ; U112.81 11.24,48.92 10.57,48.92 10.46,48.81 U112.33 ; U110#2.22 67.25,68.12 U110#2.80 ; 51.9,52.11 53.25,52.11 U118.80 ; U120#2.76 72.14,49.17 72.49,48.81 U120#2.48 ; U116.11 37.12,55.42 v1(37.08,55.37) ; U112#2.78 15.85,17.42 16.17,17.42 16.47,17.11 17.1,17.11 ; U102.78 15.85,33.42 16.17,33.42 16.47,33.11 17.1,33.11 ; U114#2.11 23.12,17.42 v1(23.08,17.37) ; 45.1,33.11 44.47,33.11 44.17,33.42 43.85,33.42 U106.78 ; 51.9,30.11 53.25,30.11 U108.80 ; U116.77 43.75,52.11 45.1,52.11 ; U120.81 67.24,10.92 66.57,10.92 66.46,10.81 U120.33 ; U114.78 29.85,55.42 30.17,55.42 30.47,55.11 31.1,55.11 ; 31.1,52.11 29.75,52.11 U114.77 ; 73.1,64.81 72.49,64.81 72.14,65.16 U110#2.76 ; U120#2.81 67.24,48.92 66.57,48.92 66.46,48.81 U120#2.33 ; U104.81 25.24,26.92 24.57,26.92 24.46,26.81 U104.33 ; U104#2.78 29.85,71.41 30.17,71.41 30.47,71.12 U104#2.69 ; U110#2.81 67.24,64.92 66.57,64.92 66.46,64.81 65.9,64.81 ; U118#2.48 58.49,10.81 58.14,11.17 U118#2.76 ; U120.48 72.49,10.81 72.14,11.17 U120.76 ; U104.78 29.85,33.42 30.17,33.42 30.47,33.11 31.1,33.11 ; U114#2.78 29.85,17.42 30.17,17.42 30.47,17.11 31.1,17.11 ; 73.1,30.11 71.75,30.11 U110.77 ; U118.77 57.75,52.11 59.1,52.11 ; U116#2.48 44.49,10.81 44.14,11.17 U116#2.76 ; 9.9,64.81 10.46,64.81 10.57,64.92 11.24,64.92 U102#2.81 ; U110.81 67.24,26.92 66.57,26.92 66.46,26.81 U110.33 ; U114#2.80 25.25,14.11 23.9,14.11 ; U118#2.33 52.46,10.81 52.57,10.92 53.24,10.92 U118#2.81 ; U118.48 58.49,48.81 58.14,49.17 U118.76 ; v1(23.08,71.37) 23.12,71.41 23.9,71.41 ; v1(65.08,71.37) 65.12,71.41 65.9,71.41 ; U112#2.77 15.75,14.11 17.1,14.11 ; 31.1,30.11 29.75,30.11 U104.77 ; U106.81 39.24,26.92 38.57,26.92 38.46,26.81 U106.33 ; U112.77 15.75,52.11 17.1,52.11 ; U110.78 71.85,33.42 72.17,33.42 72.47,33.11 73.1,33.11 ; U102#2.59 15.75,68.12 U102#2.77 ; 23.9,30.11 25.25,30.11 U104.80 ; U106.76 44.14,27.17 44.49,26.81 U106.48 ; U108.81 53.24,26.92 52.57,26.92 52.46,26.81 U108.33 ; U106.11 37.12,33.42 v1(37.08,33.37) ; U118.33 52.46,48.81 52.57,48.92 53.24,48.92 U118.81 ; U120#2.78 71.85,55.42 72.17,55.42 72.47,55.11 73.1,55.11 ; 73.1,52.11 71.75,52.11 U120#2.77 ; 31.1,64.81 30.49,64.81 30.14,65.16 U104#2.76 ; v1(65.08,55.37) 65.12,55.42 U120#2.11 ; U108#2.80 53.25,68.12 U108#2.22 ; 59.1,17.11 58.47,17.11 58.17,17.42 57.85,17.42 U118#2.78 ; U110.11 65.12,33.42 v1(65.08,33.37) ; v1(65.08,17.37) 65.12,17.42 U120.11 ; U118.78 57.85,55.42 58.17,55.42 58.47,55.11 59.1,55.11 ; 73.1,14.11 71.75,14.11 U120.77 ; v1(9.08,55.37) 9.12,55.42 U112.11 ; v1(9.08,17.37) 9.12,17.42 U112#2.11 ; U104.11 23.12,33.42 v1(23.08,33.37) ; U112#2.80 11.25,14.11 9.9,14.11 ; U114#2.33 24.46,10.81 24.57,10.92 25.24,10.92 U114#2.81 ; U104#2.80 25.25,68.12 U104#2.22 ; v1(23.08,55.37) 23.12,55.42 U114.11 ; U102#2.80 11.25,68.12 U102#2.22 ; U102.48 16.49,26.81 16.14,27.17 U102.76 ; 51.9,14.11 53.25,14.11 U118#2.80 ; U116.80 39.25,52.11 37.9,52.11 ; U102.11 9.12,33.42 v1(9.08,33.37) ; U112#2.81 11.24,10.92 10.57,10.92 10.46,10.81 U112#2.33 ; U110#2.78 71.85,71.41 72.17,71.41 72.47,71.12 U110#2.69 ; 51.9,71.41 51.12,71.41 v1(51.08,71.37) ; U112.76 16.14,49.17 16.49,48.81 U112.48 ; v1(51.08,17.37) 51.12,17.42 U118#2.11 ; U116.78 43.85,55.42 44.17,55.42 44.47,55.11 45.1,55.11 ; U118#2.77 57.75,14.11 59.1,14.11 ; 37.9,14.11 39.25,14.11 U116#2.80 ; U102#2.78 15.85,71.41 16.17,71.41 16.47,71.12 U102#2.69 ; U110.76 72.14,27.17 72.49,26.81 U110.48 ; U106#2.77 43.75,68.12 U106#2.59
  Top w0.2: v1(27.9,26.65) 27.7,26.45 U104.41 ; U120#2.41 69.7,48.45 v1(69.9,48.65) ; U108.41 55.7,26.45 v1(55.9,26.65) ; U106.41 41.7,26.45 v1(41.9,26.65) ; v1(41.9,48.65) 41.7,48.45 U116.41 ; U104#2.41 27.7,64.45 v1(27.9,64.65) ; U114.41 27.7,48.45 v1(27.9,48.65) ; U112.41 13.7,48.45 v1(13.9,48.65) ; v1(13.9,64.65) 13.7,64.45 U102#2.41 ; U110.41 69.7,26.45 v1(69.9,26.65) ; v1(55.9,48.65) 55.7,48.45 U118.41 ; U102.41 13.7,26.45 v1(13.9,26.65) ; U106#2.41 41.7,64.45 v1(41.9,64.65) ; v1(55.9,10.65) 55.7,10.45 U118#2.41 ; v1(69.9,64.65) 69.7,64.45 U110#2.41 ; U114#2.41 27.7,10.45 v1(27.9,10.65) ; U108#2.41 55.7,64.45 v1(55.9,64.65) ; U112#2.41 13.7,10.45 v1(13.9,10.65) ; U120.41 69.7,10.45 v1(69.9,10.65) ; U116#2.41 41.7,10.45 v1(41.9,10.65)
  vias: v1(7.26,73.41) v1(7.28,65.27) v1(7.26,57.41) v1(7.28,49.27) v1(7.26,35.41) v1(7.28,27.27) v1(7.26,19.41) v1(7.28,11.27) v1(7.4,75.03) v1(7.39,62.89) v1(7.41,60.94) v1(7.4,59.03) v1(7.39,46.89) v1(7.41,44.94) v1(7.4,37.03) v1(7.39,24.89) v1(7.41,22.94) v1(7.4,21.03) v1(7.39,8.89) v1(7.41,6.94) v1(8.25,61.4) v1(8.25,45.4) v1(8.25,23.4) v1(8.25,7.4) v1(8.33,74.85) v1(8.33,58.85) v1(8.33,36.85) v1(8.33,20.85) v1(9.15,61) v1(9.15,45) v1(9.15,23) v1(9.15,7) v1(9.5,75.25) v1(9.5,59.25) v1(9.5,37.25) v1(9.5,21.25) v1(13.25,60.75) v1(13.25,44.75) v1(13.25,22.75) v1(13.25,6.75) v1(13.7,73.51) v1(13.7,57.51) v1(13.7,35.51) v1(13.7,19.51) v1(13.98,75.28) v1(13.98,59.28) v1(13.98,37.28) v1(13.98,21.28) v1(16.2,60.9) v1(16.2,44.9) v1(16.2,22.9) v1(16.2,6.9) v1(17.32,75.19) v1(17.32,59.19) v1(17.32,37.19) v1(17.32,21.19) v1(17.99,60.81) v1(17.99,44.81) v1(17.99,22.81) v1(17.99,6.81) v1(18.66,74.79) v1(18.66,58.79) v1(18.66,36.79) v1(18.66,20.79) v1(19.39,60.91) v1(19.39,44.91) v1(19.39,22.91) v1(19.39,6.91) v1(19.53,73.86) v1(19.53,57.86) v1(19.53,35.86) v1(19.53,19.86) v1(19.58,75.07) v1(19.58,59.07) v1(19.58,37.07) v1(19.58,21.07) v1(19.67,71.24) v1(19.66,66.59) v1(19.72,62.84) v1(19.67,55.24) v1(19.66,50.59) v1(19.72,46.84) v1(19.67,33.24) v1(19.66,28.59) v1(19.72,24.84) v1(19.67,17.24) v1(19.66,12.59) v1(19.72,8.84) v1(21.26,73.41) v1(21.28,65.27) v1(21.26,57.41) v1(21.28,49.27) v1(21.26,35.41) v1(21.28,27.27) v1(21.26,19.41) v1(21.28,11.27) v1(21.4,75.03) v1(21.39,62.89) v1(21.41,60.94) v1(21.4,59.03) v1(21.39,46.89) v1(21.41,44.94) v1(21.4,37.03) v1(21.39,24.89) v1(21.41,22.94) v1(21.4,21.03) v1(21.39,8.89) v1(21.41,6.94) v1(22.25,61.4) v1(22.25,45.4) v1(22.25,23.4) v1(22.25,7.4) v1(22.33,74.85) v1(22.33,58.85) v1(22.33,36.85) v1(22.33,20.85) v1(23.15,61) v1(23.15,45) v1(23.15,23) v1(23.15,7) v1(23.5,75.25) v1(23.5,59.25) v1(23.5,37.25) v1(23.5,21.25) v1(27.25,60.75) v1(27.25,44.75) v1(27.25,22.75) v1(27.25,6.75) v1(27.7,73.51) v1(27.7,57.51) v1(27.7,35.51) v1(27.7,19.51) v1(27.98,75.28) v1(27.98,59.28) v1(27.98,37.28) v1(27.98,21.28) v1(30.2,60.9) v1(30.2,44.9) v1(30.2,22.9) v1(30.2,6.9) v1(31.32,75.19) v1(31.32,59.19) v1(31.32,37.19) v1(31.32,21.19) v1(31.99,60.81) v1(31.99,44.81) v1(31.99,22.81) v1(31.99,6.81) v1(32.66,74.79) v1(32.66,58.79) v1(32.66,36.79) v1(32.66,20.79) v1(33.39,60.91) v1(33.39,44.91) v1(33.39,22.91) v1(33.39,6.91) v1(33.53,73.86) v1(33.53,57.86) v1(33.53,35.86) v1(33.53,19.86) v1(33.58,75.07) v1(33.58,59.07) v1(33.58,37.07) v1(33.58,21.07) v1(33.67,71.24) v1(33.66,66.59) v1(33.72,62.84) v1(33.67,55.24) v1(33.66,50.59) v1(33.72,46.84) v1(33.67,33.24) v1(33.66,28.59) v1(33.72,24.84) v1(33.67,17.24) v1(33.66,12.59) v1(33.72,8.84) v1(35.26,73.41) v1(35.28,65.27) v1(35.26,57.41) v1(35.28,49.27) v1(35.26,35.41) v1(35.28,27.27) v1(35.26,19.41) v1(35.28,11.27) v1(35.4,75.03) v1(35.39,62.89) v1(35.41,60.94) v1(35.4,59.03) v1(35.39,46.89) v1(35.41,44.94) v1(35.4,37.03) v1(35.39,24.89) v1(35.41,22.94) v1(35.4,21.03) v1(35.39,8.89) v1(35.41,6.94) v1(36.25,61.4) v1(36.25,45.4) v1(36.25,23.4) v1(36.25,7.4) v1(36.33,74.85) v1(36.33,58.85) v1(36.33,36.85) v1(36.33,20.85) v1(37.15,61) v1(37.15,45) v1(37.15,23) v1(37.15,7) v1(37.5,75.25) v1(37.5,59.25) v1(37.5,37.25) v1(37.5,21.25) v1(41.25,60.75) v1(41.25,44.75) v1(41.25,22.75) v1(41.25,6.75) v1(41.7,73.51) v1(41.7,57.51) v1(41.7,35.51) v1(41.7,19.51) v1(41.98,75.28) v1(41.98,59.28) v1(41.98,37.28) v1(41.98,21.28) v1(44.2,60.9) v1(44.2,44.9) v1(44.2,22.9) v1(44.2,6.9) v1(45.32,75.19) v1(45.32,59.19) v1(45.32,37.19) v1(45.32,21.19) v1(45.99,60.81) v1(45.99,44.81) v1(45.99,22.81) v1(45.99,6.81) v1(46.66,74.79) v1(46.66,58.79) v1(46.66,36.79) v1(46.66,20.79) v1(47.39,60.91) v1(47.39,44.91) v1(47.39,22.91) v1(47.39,6.91) v1(47.53,73.86) v1(47.53,57.86) v1(47.53,35.86) v1(47.53,19.86) v1(47.58,75.07) v1(47.58,59.07) v1(47.58,37.07) v1(47.58,21.07) v1(47.67,71.24) v1(47.66,66.59) v1(47.72,62.84) v1(47.67,55.24) v1(47.66,50.59) v1(47.72,46.84) v1(47.67,33.24) v1(47.66,28.59) v1(47.72,24.84) v1(47.67,17.24) v1(47.66,12.59) v1(47.72,8.84) v1(49.26,73.41) v1(49.28,65.27) v1(49.26,57.41) v1(49.28,49.27) v1(49.26,35.41) v1(49.28,27.27) v1(49.26,19.41) v1(49.28,11.27) v1(49.4,75.03) v1(49.39,62.89) v1(49.41,60.94) v1(49.4,59.03) v1(49.39,46.89) v1(49.41,44.94) v1(49.4,37.03) v1(49.39,24.89) v1(49.41,22.94) v1(49.4,21.03) v1(49.39,8.89) v1(49.41,6.94) v1(50.25,61.4) v1(50.25,45.4) v1(50.25,23.4) v1(50.25,7.4) v1(50.33,74.85) v1(50.33,58.85) v1(50.33,36.85) v1(50.33,20.85) v1(51.15,61) v1(51.15,45) v1(51.15,23) v1(51.15,7) v1(51.5,75.25) v1(51.5,59.25) v1(51.5,37.25) v1(51.5,21.25) v1(55.25,60.75) v1(55.25,44.75) v1(55.25,22.75) v1(55.25,6.75) v1(55.7,73.51) v1(55.7,57.51) v1(55.7,35.51) v1(55.7,19.51) v1(55.98,75.28) v1(55.98,59.28) v1(55.98,37.28) v1(55.98,21.28) v1(58.2,60.9) v1(58.2,44.9) v1(58.2,22.9) v1(58.2,6.9) v1(59.32,75.19) v1(59.32,59.19) v1(59.32,37.19) v1(59.32,21.19) v1(59.99,60.81) v1(59.99,44.81) v1(59.99,22.81) v1(59.99,6.81) v1(60.66,74.79) v1(60.66,58.79) v1(60.66,36.79) v1(60.66,20.79) v1(61.39,60.91) v1(61.39,44.91) v1(61.39,22.91) v1(61.39,6.91) v1(61.53,73.86) v1(61.53,57.86) v1(61.53,35.86) v1(61.53,19.86) v1(61.58,75.07) v1(61.58,59.07) v1(61.58,37.07) v1(61.58,21.07) v1(61.67,71.24) v1(61.66,66.59) v1(61.72,62.84) v1(61.67,55.24) v1(61.66,50.59) v1(61.72,46.84) v1(61.67,33.24) v1(61.66,28.59) v1(61.72,24.84) v1(61.67,17.24) v1(61.66,12.59) v1(61.72,8.84) v1(63.26,73.41) v1(63.28,65.27) v1(63.26,57.41) v1(63.28,49.27) v1(63.26,35.41) v1(63.28,27.27) v1(63.26,19.41) v1(63.28,11.27) v1(63.4,75.03) v1(63.39,62.89) v1(63.41,60.94) v1(63.4,59.03) v1(63.39,46.89) v1(63.41,44.94) v1(63.4,37.03) v1(63.39,24.89) v1(63.41,22.94) v1(63.4,21.03) v1(63.39,8.89) v1(63.41,6.94) v1(64.25,61.4) v1(64.25,45.4) v1(64.25,23.4) v1(64.25,7.4) v1(64.33,74.85) v1(64.33,58.85) v1(64.33,36.85) v1(64.33,20.85) v1(65.15,61) v1(65.15,45) v1(65.15,23) v1(65.15,7) v1(65.5,75.25) v1(65.5,59.25) v1(65.5,37.25) v1(65.5,21.25) v1(69.25,60.75) v1(69.25,44.75) v1(69.25,22.75) v1(69.25,6.75) v1(69.7,73.51) v1(69.7,57.51) v1(69.7,35.51) v1(69.7,19.51) v1(69.98,75.28) v1(69.98,59.28) v1(69.98,37.28) v1(69.98,21.28) v1(72.2,60.9) v1(72.2,44.9) v1(72.2,22.9) v1(72.2,6.9) v1(73.32,75.19) v1(73.32,59.19) v1(73.32,37.19) v1(73.32,21.19) v1(73.99,60.81) v1(73.99,44.81) v1(73.99,22.81) v1(73.99,6.81) v1(74.66,74.79) v1(74.66,58.79) v1(74.66,36.79) v1(74.66,20.79) v1(75.39,60.91) v1(75.39,44.91) v1(75.39,22.91) v1(75.39,6.91) v1(75.53,73.86) v1(75.53,57.86) v1(75.53,35.86) v1(75.53,19.86) v1(75.58,75.07) v1(75.58,59.07) v1(75.58,37.07) v1(75.58,21.07) v1(75.67,71.24) v1(75.66,66.59) v1(75.72,62.84) v1(75.67,55.24) v1(75.66,50.59) v1(75.72,46.84) v1(75.67,33.24) v1(75.66,28.59) v1(75.72,24.84) v1(75.67,17.24) v1(75.66,12.59) v1(75.72,8.84)
